# Altium PCB LED_12T-V1.1拼.PcbDoc (part 3 of 5)
Units mm, origin at the board's own origin, x right, y up, seen from the top; angles counter-clockwise.
Board outline 152.4 x 101.6 mm, 2 copper layers (Top Layer, Bottom Layer); 148 components, 0 nets, 416 pads, 236 vias.
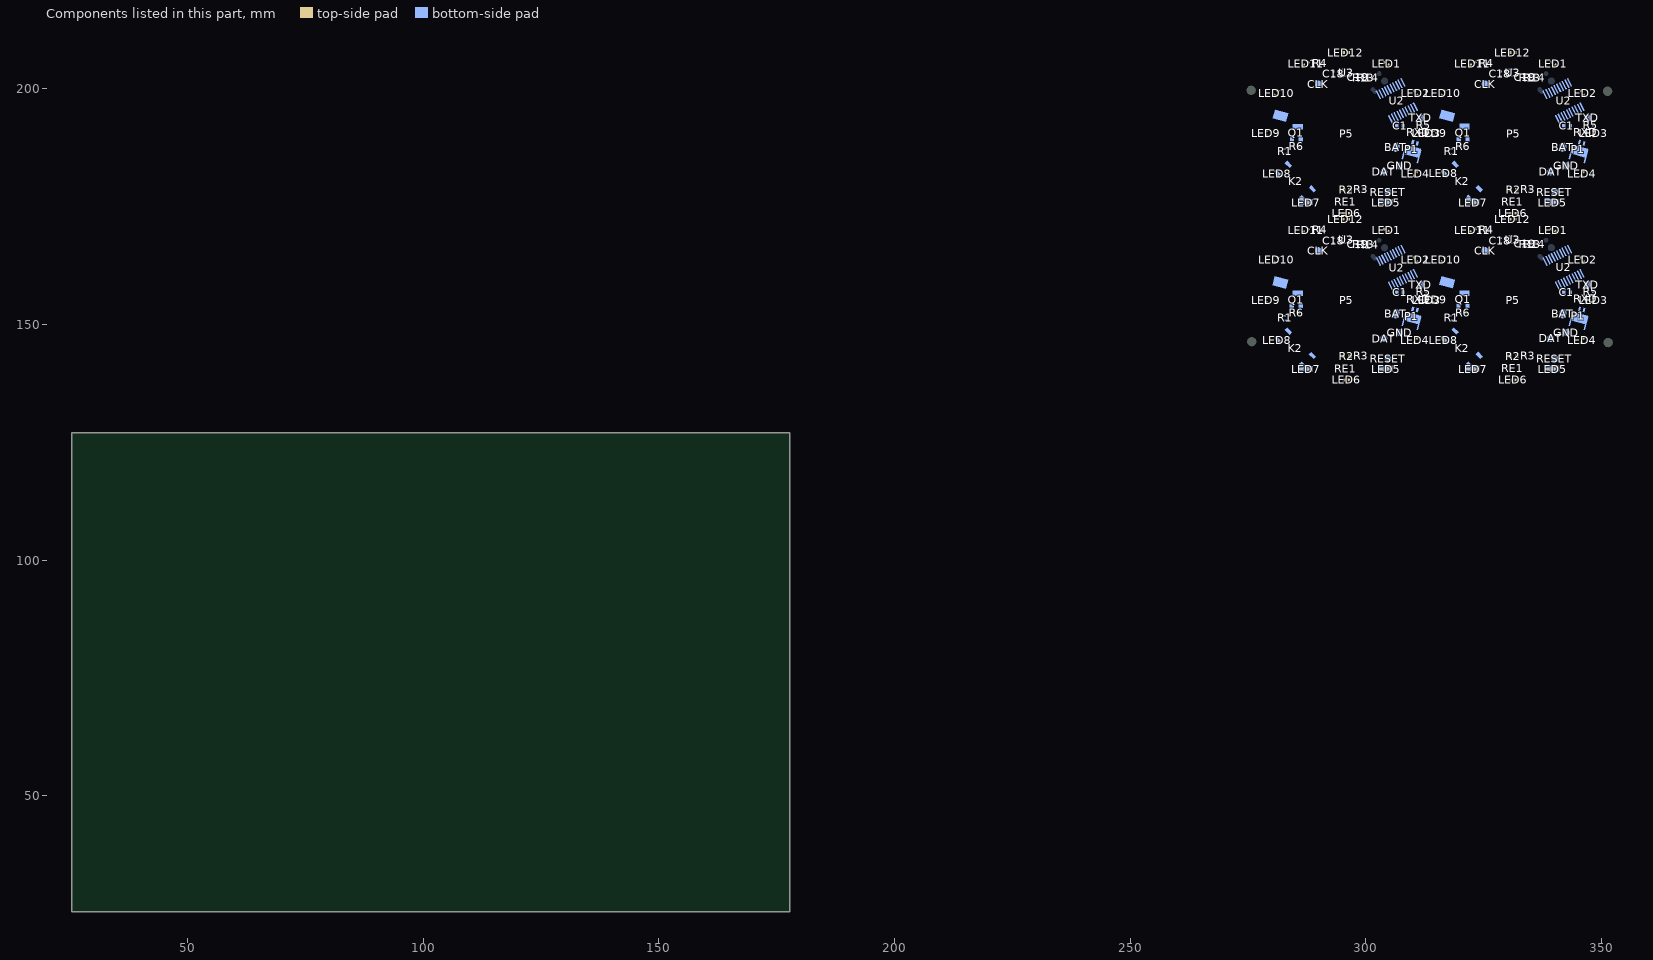
[diagram p3: the components of this part, seen from the top]

## Via types
v1: diameter 0.5, hole 0.3, Top Layer to Bottom Layer, 236 vias

## Nets (pads, with @x,y where several pads share a name; then routed paths per layer and width w, separated by ;. In a path a pad name is that pad's centre, name@x,y a point inside that pad or via, vN(x,y) a via of type N, cw(c..) or ccw(c..) an arc to the next point about the centre after c; other vN are vias at no path point) (continued)
copper on no net: (continued)
  Bottom Layer w0.25: v1@279.376,156.062 281.712,156.062 cw(c281.712,156.039) v1@281.729,156.055 ; v1@279.381,191.421 281.718,191.421 cw(c281.718,191.398) v1@281.734,191.414 ; v1@281.955,163.946 282.17,163.731 ccw(c283.07,164.63) 283.07,163.358 cw(c283.088,163.358) v1@283.075,163.371 ; v1@281.961,199.305 282.176,199.09 ccw(c283.075,199.989) 283.075,198.717 cw(c283.094,198.717) v1@283.081,198.73 ; 305.912,164.141 ccw(c306.271,164.141) 306.271,163.782 307.76,163.782 v1@308.458,164.48 ; 305.918,199.5 ccw(c306.276,199.5) 306.276,199.141 307.765,199.141 v1@308.463,199.839 ; 306.84,166.531 306.84,166.748 cw(c306.865,166.748) 306.847,166.766 ; 306.846,201.891 306.846,202.108 cw(c306.87,202.108) 306.853,202.125 ; 307.401,163.774 v1@308.569,164.3 ; 307.407,199.133 v1@308.575,199.659 ; 307.785,163.778 308.591,164.326 v1@308.612,164.42 ; 307.791,199.137 308.596,199.685 v1@308.618,199.78 ; 307.793,166.287 308.713,165.412 cw(c308.694,165.412) 308.694,165.393 ; 307.799,201.646 308.719,200.771 cw(c308.7,200.771) 308.7,200.752 ; 307.978,165.878 cw(c307.978,165.418) 308.438,165.418 308.438,165.322 ; 307.984,201.238 cw(c307.984,200.777) 308.444,200.777 308.444,200.682 ; 308.136,165.556 cw(c308.136,165.332) 308.295,165.491 308.951,164.834 cw(c308.437,164.319) 309.165,164.319 cw(c308.661,164.319) 309.017,163.963 308.797,163.743 cw(c308.77,163.769) 308.77,163.732 ; 308.142,200.915 cw(c308.142,200.691) 308.3,200.85 308.957,200.193 cw(c308.442,199.678) 309.17,199.678 cw(c308.666,199.678) 309.023,199.322 308.802,199.102 cw(c308.776,199.128) 308.776,199.091 ; v1@308.201,162.785 308.753,163.016 v1@310.241,163.105 ; v1@308.207,198.144 308.758,198.375 v1@310.246,198.464 ; 308.35,162.921 308.996,163.65 309.197,164.154 ; 308.355,198.28 309.001,199.009 309.203,199.513 ; 308.419,165.527 cw(c308.419,164.773) 309.173,164.773 309.173,164.217 ; 308.425,200.886 cw(c308.425,200.132) 309.179,200.132 309.179,199.576 ; 308.63,165.316 308.669,165.316 cw(c308.669,164.907) 309.078,164.907 ; 308.636,200.675 308.674,200.675 cw(c308.674,200.266) 309.083,200.266 ; 308.725,163.689 cw(c308.097,163.689) 308.541,163.245 308.159,162.862 ccw(c308.387,162.634) 308.065,162.634 ccw(c308.082,162.634) 308.07,162.622 308.17,162.522 cw(c309.12,161.571) 309.12,162.915 v1@310.216,162.915 ; 308.731,199.048 cw(c308.103,199.048) 308.547,198.604 308.165,198.221 ccw(c308.393,197.993) 308.07,197.993 ccw(c308.087,197.993) 308.075,197.981 308.176,197.881 cw(c309.126,196.931) 309.126,198.275 v1@310.221,198.275 ; 308.777,165.169 308.777,165.08 ccw(c308.86,165.08) 308.86,164.997 ; 308.783,200.528 308.783,200.439 ccw(c308.866,200.439) 308.866,200.356 ; 309.639,158.277 310.334,157.02 310.285,155.067 310.366,154.724 311.379,154.471 312.327,154.185 312.531,153.883 v1(312.482,153.45) ; 309.645,193.636 310.339,192.379 310.29,190.426 310.372,190.083 311.385,189.83 312.332,189.544 312.536,189.242 v1(312.487,188.809) ; 312.31,154.19 312.634,153.923 v1@312.619,153.46 ; 312.316,189.549 312.639,189.283 v1@312.625,188.819 ; v1@314.759,156.071 317.095,156.071 cw(c317.095,156.048) v1@317.112,156.064 ; v1@314.764,191.43 317.101,191.43 cw(c317.101,191.407) v1@317.117,191.423 ; v1@317.338,163.955 317.553,163.74 ccw(c318.453,164.639) 318.453,163.367 cw(c318.471,163.367) v1@318.458,163.38 ; v1@317.343,199.314 317.559,199.099 ccw(c318.458,199.998) 318.458,198.726 cw(c318.477,198.726) v1@318.463,198.739 ; 341.295,164.15 ccw(c341.654,164.15) 341.654,163.791 343.143,163.791 v1@343.841,164.489 ; 341.3,199.509 ccw(c341.659,199.509) 341.659,199.15 343.148,199.15 v1@343.846,199.848 ; 342.223,166.54 342.223,166.757 cw(c342.247,166.757) 342.23,166.775 ; 342.229,201.899 342.229,202.116 cw(c342.253,202.116) 342.236,202.134 ; 342.784,163.783 v1@343.952,164.309 ; 342.79,199.142 v1@343.958,199.668 ; 343.168,163.787 343.974,164.335 v1@343.995,164.429 ; 343.173,199.146 343.979,199.694 v1@344.001,199.788 ; 343.176,166.296 344.096,165.421 cw(c344.077,165.421) 344.077,165.402 ; 343.181,201.655 344.102,200.78 cw(c344.082,200.78) 344.082,200.761 ; 343.361,165.887 cw(c343.361,165.427) 343.821,165.427 343.821,165.331 ; 343.367,201.246 cw(c343.367,200.786) 343.827,200.786 343.827,200.69 ; 343.519,165.565 cw(c343.519,165.341) 343.678,165.5 344.334,164.843 cw(c343.82,164.328) 344.548,164.328 cw(c344.044,164.328) 344.4,163.972 344.18,163.751 cw(c344.153,163.778) 344.153,163.74 ; 343.525,200.924 cw(c343.525,200.7) 343.683,200.859 344.34,200.202 cw(c343.825,199.687) 344.553,199.687 cw(c344.049,199.687) 344.405,199.331 344.185,199.11 cw(c344.159,199.137) 344.159,199.1 ; v1@343.584,162.794 344.136,163.025 v1@345.624,163.114 ; v1@343.59,198.153 344.141,198.384 v1@345.629,198.473 ; 343.733,162.93 344.379,163.659 344.58,164.163 ; 343.738,198.289 344.384,199.018 344.586,199.522 ; 343.802,165.536 cw(c343.802,164.782) 344.556,164.782 344.556,164.226 ; 343.808,200.895 cw(c343.808,200.141) 344.562,200.141 344.562,199.585 ; 344.013,165.325 344.051,165.325 cw(c344.051,164.916) 344.46,164.916 ; 344.019,200.684 344.057,200.684 cw(c344.057,200.275) 344.466,200.275 ; 344.108,163.698 cw(c343.48,163.698) 343.924,163.254 343.542,162.871 ccw(c343.77,162.643) 343.447,162.643 ccw(c343.464,162.643) 343.452,162.631 343.553,162.531 cw(c344.503,161.58) 344.503,162.924 v1@345.598,162.924 ; 344.114,199.057 cw(c343.486,199.057) 343.93,198.613 343.547,198.23 ccw(c343.775,198.002) 343.453,198.002 ccw(c343.47,198.002) 343.458,197.99 343.558,197.89 cw(c344.509,196.939) 344.509,198.283 v1@345.604,198.283 ; 344.16,165.178 344.16,165.089 ccw(c344.243,165.089) 344.243,165.005 ; 344.166,200.537 344.166,200.448 ccw(c344.249,200.448) 344.249,200.365 ; 345.022,158.286 345.716,157.028 345.667,155.076 345.749,154.733 346.762,154.48 347.709,154.194 347.914,153.892 v1(347.865,153.459) ; 345.028,193.645 345.722,192.387 345.673,190.435 345.755,190.092 346.767,189.839 347.715,189.553 347.919,189.251 v1(347.87,188.818) ; 347.693,154.199 348.017,153.932 v1@348.002,153.469 ; 347.699,189.558 348.022,189.291 v1@348.008,188.828